# Altium PCB PCB1.PcbDoc (part 4 of 5)
Units mil, origin at the board's own origin, x right, y up, seen from the top; angles counter-clockwise.
Board outline 4133.86 x 2637.8 mil, 6 copper layers (Top Layer, Layer 3, Layer 1, Layer 2, Layer 4, Bottom Layer), stack 32.112 mil thick; 190 components, 224 nets, 985 pads, 573 vias.
Unrouted connection lines stored in the file: 1.
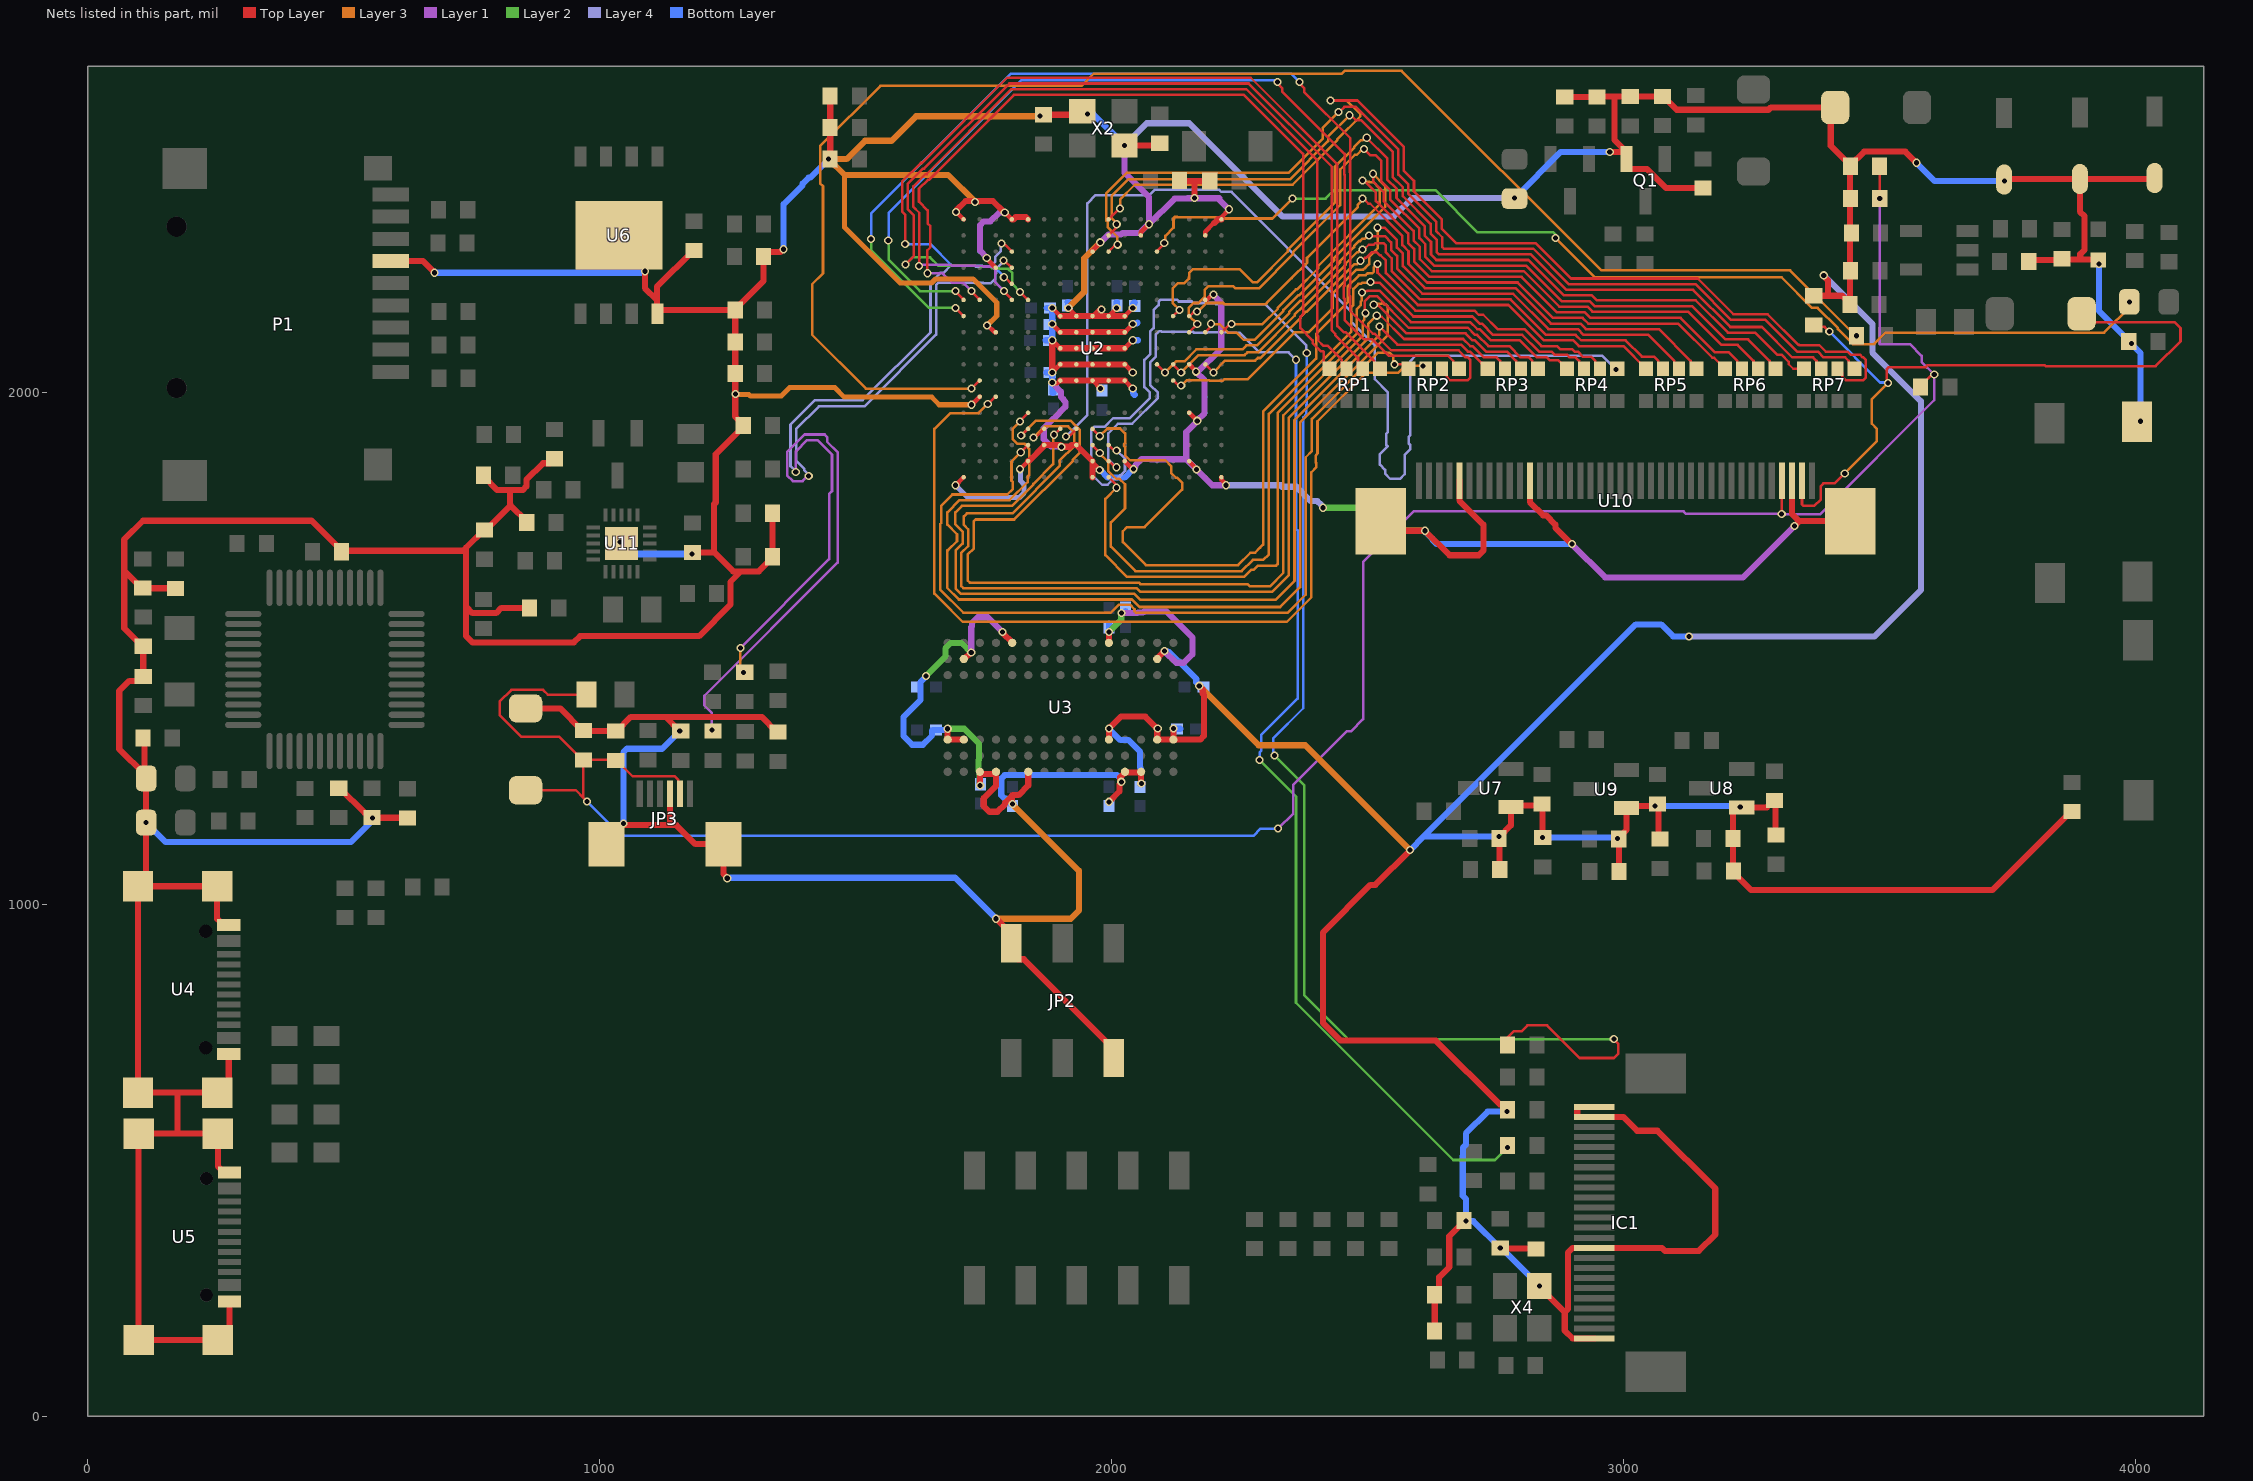
[diagram p8: the nets of this part, all layers, seen from the top]

## Via types
v1: diameter 16, hole 10, Top Layer to Bottom Layer, tented both sides, 573 vias

## Nets (pads, with @x,y where several pads share a name; then routed paths per layer and width w, separated by ;. In a path a pad name is that pad's centre, name@x,y a point inside that pad or via, vN(x,y) a via of type N, cw(c..) or ccw(c..) an arc to the next point about the centre after c; other vN are vias at no path point) (continued)
GND: 1.1 2.1 3.1 4.1 5.1 6.1 7.1 9.1 10.1 11.1 12.1 13.1 14.1 15.1 16.1 17.1 18.1 19.1 20.1 21.1 22.1 23.1 24.1 25.1 26.1 27.1 28.1 29.1 C1.1 C2.1 C3.1 C4.2 C5.2 C6.2 C7.2 C8.2 C9.1 C10.1 C11.1 C12.1 C13.1 C14.1 C15.1 C16.1 C17.1 C18.1 C19.1 C20.1 C21.1 C22.1 C23.1 C24.1 C25.1 C26.1 C27.1 C29.1 C30.1 C31.1 C32.1 C33.1 C34.1 C35.1 C36.2 C37.2 C38.1 C39.1 C40.2 C41.2 C42.2 C43.1 C44.1 C45.1 C46.1 C47.2 C48.1 C51.2 D2.1 D4.1 E1.2 E2.2 E3.2 IC1.1 IC1.2 IC1.15 IC1.24 JP2.1 JP2.6 JP3.0 JP3.4 LED1.2 LED2.2 LED3.2 LED4.2 P1.6 Q1.2 R2.1 R5.1 R24.1 R27.1 R28.1 R32.2 R33.2 R34.1 R50.2 R55.2 SW3.2 U2.A1 U2.A17 U2.B2 U2.B6 U2.C10 U2.C13 U2.C16 U2.F2 U2.G7 U2.G8 U2.G9 U2.G10 U2.G11 U2.G16 U2.H7 U2.H8 U2.H9 U2.H10 U2.H11 U2.J3 U2.J7 U2.J8 U2.J9 U2.J10 U2.J11 U2.J16 U2.J17 U2.K7 U2.K8 U2.K9 U2.K10 U2.K11 U2.K15 U2.L7 U2.L8 U2.L9 U2.L10 U2.L11 U2.L15 U2.M15 U2.N1 U2.N16 U2.P1 U2.R4 U2.R8 U2.T12 U2.U1 U2.U17 U3.A3 U3.B3 U3.B8 U3.C1 U3.D1 U3.E9 U3.F1 U3.L3 U3.L9 U3.M1 U3.N1 U3.P3 U3.P8 U3.R3 U4.13 U4.14 U4.15 U4.16 U4.A1B12 U4.B1A12 U5.13 U5.14 U5.15 U5.16 U5.A1B12 U5.B1A12 U6.4 U6.9 U7.1 U8.1 U9.1 U10.5 U10.12 U10.38 U10.41 U10.42 U11.21 X2.2 X2.4 X4.2 | length 31616.2
  Top Layer w8.86: v1(1694.87,1819) 1694.99,1819 U2.U17@1710.51,1834.53 ; v1(1695.98,2352.69) 1696.29,2352.69 U2.U1@1710.51,2338.46 ; v1(1726.26,1976.26) U2.T12@1742.01,1992.01 ; v1(1755.83,2262.73) 1755.83,2261.65 U2.R4@1773.5,2243.98 ; v1(1756.5,2130.73) 1758.43,2130.73 1771.17,2117.99 U2.R8@1773.5,2117.99 ; v1@1791.23,2352.23 U2.P1@1805,2338.46 ; v1(1820.75,1850.28) U2.N16@1836.5,1866.02 ; U2.M15@1867.99,1896.44 U2.M15@1867.99,1897.52 ; v1(1883.74,2019.87) 1885.65,2017.96 1893.95,2017.96 U2.L11@1899.49,2023.5 ; v1(1883.74,2039.25) U2.L10@1899.49,2055 ; v1(1883.74,2102.24) U2.L9@1899.49,2086.5 ; v1(1883.74,2133.74) U2.L8@1899.49,2117.99 ; v1(1883.74,2165.24) U2.L7@1899.49,2149.49 ; v1(1915.24,2165.24) U2.K7@1930.98,2149.49 ; U2.J16@1962.48,1863.72 1976.48,1849.72 v1(1976.48,1848.76) ; U2.J11@1962.48,2023.5 v1(1978.23,2007.76) ; U2.J7@1962.48,2149.49 1978.23,2165.24 v1@1980.01,2165.24 ; U2.J3@1962.48,2275.47 1962.48,2278.31 v1(1977.67,2293.5) ; U2.H7@1993.98,2149.49 v1(2009.72,2165.24) ; U2.G16@2025.47,1866.02 2041.22,1850.28 v1(2042.5,1850.28) ; U2.G11@2025.47,2023.5 v1(2041.22,2007.76) ; U2.G10@2025.47,2055 v1(2041.22,2039.25) ; U2.G9@2025.47,2086.5 v1(2041.22,2102.24) ; U2.G8@2025.47,2117.99 v1(2041.22,2133.74) ; U2.G7@2025.47,2149.49 v1(2041.22,2165.24) ; U2.F2@2056.97,2306.97 2056.97,2313.14 v1(2072.72,2328.89) ; U2.C16@2151.46,1866.02 2151.46,1865.3 2165.72,1851.04 v1(2165.72,1849.45) ; U2.C13@2151.46,1960.51 v1(2167.2,1944.76) ; U2.C10@2151.46,2055 2164.47,2041.99 v1(2164.47,2040.76) ; U2.B6@2182.95,2180.98 2186.25,2180.98 2196.77,2191.5 v1(2198.7,2191.5) ; U2.B2@2182.95,2306.97 2182.95,2314.4 2199.99,2331.44 ; U2.A17@2214.45,1834.53 2214.45,1829.76 2223.5,1820.71 v1(2223.5,1818.78) ; U2.A1@2214.45,2338.46 2214.45,2342.56 2228.9,2357.01 v1(2228.9,2358.21)
  Top Layer w12: C15.1@107.46,1325 110.53,1321.93 LED2.2@110.53,1254.08 ; C10.1@171,1617.46 170.77,1617.69 107.23,1617.69 C12.1@107,1617.91 105.03,1617.91 71,1651.94 ; U4.B1A12@275,707.79 275,654.84 U4.15@252.36,632.2 175,632.2 ; U4.A1B12@275,959.76 264.17,959.76 252.37,971.57 U4.13@252.37,1035.35 U4.14@97.64,1035.35 ; U5.B1A12@276.36,224.59 276.36,171.64 U5.15@253.72,149 U5.16@99,149 U5.14@99,552.15 176.36,552.15 ; U5.A1B12@276.36,476.56 265.53,476.56 253.72,488.37 U5.13@253.72,552.15 176.36,552.15 ; C11.1@490,1227 491.97,1227 540.29,1178.68 546.24,1178.68 R2.1@555,1169.91 ; R2.1@556,1169.41 623.5,1169.41 C9.1@624,1168.91 ; P1.6@591.39,2257.03 653.97,2257.03 v1(677,2234) ; C51.2@772.72,1838.31 772.72,1836.34 799.49,1809.58 824.51,1809.58 ; D4.1@855,1383 922.57,1383 966.03,1339.54 20.1@968,1339.54 968.5,1339.04 1030.5,1339.04 23.1@1031,1338.54 1032.97,1338.54 1060.73,1366.31 1128.27,1366.31 ; C48.1@857.18,1746.31 857.18,1748.28 826.32,1779.13 824.51,1779.13 ; C44.1@862.72,1579.31 807.6,1579.31 797.38,1569.09 751.02,1569.09 738.72,1581.39 ; C47.2@911.72,1870.77 902.96,1862 889,1862 856.57,1829.57 856.57,1816.61 849.54,1809.58 824.51,1809.58 ; JP3.0@1046,1155.1 1137,1155.1 ; v1(1088,2237) 1088,2204.07 1111.84,2180.22 ; U6.4@1111.84,2154.53 U6.4@1111.84,2155.63 ; JP3.4@1137.14,1196.51 1137.36,1196.29 1137.36,1155.46 1137,1155.1 ; 28.1@1158,1338.54 v1(1156.03,1338.54) 1128.27,1366.31 ; R50.2@1180.72,1687.77 1223.25,1687.77 ; C25.1@1184,2277.46 1182.03,2277.46 1111.84,2207.27 1111.84,2180.22 ; v1(1249,1051) 1249,1052.08 1241.38,1059.7 JP3.0@1241.38,1117.8 1186.7,1117.8 1149.39,1155.1 1137,1155.1 ; C45.1@1337.26,1764.31 C46.1@1337.26,1679.31 1337.26,1677.34 1310.5,1650.58 1275.72,1650.58 ; 29.1@1348,1336.54 1346.03,1336.54 1316.27,1366.31 1128.27,1366.31 ; v1(1359,2280) 1357.92,2280 1352.76,2274.85 1328.76,2274.85 1320,2266.08 C13.1@1320,2266 1320,2218.51 1264.46,2162.97 C8.2@1264.46,2161 ; C1.1@1450,2456 C3.1@1450,2517.5 C2.1@1450,2579 ; v1(1679.53,1343.08) U3.A3@1679.53,1322.01 U3.B3@1711.02,1322.01 ; v1(1695.98,2352.69) 1696.75,2353.46 1696.75,2356.19 1714.76,2374.21 1741.26,2374.21 ; U3.B8@1711.02,1479.49 1712.05,1479.49 1724.47,1491.91 v1(1725.5,1491.91) ; v1(1732.99,2372.34) 1733.76,2373.1 1740.14,2373.1 1741.26,2374.21 ; U3.C1@1742.52,1259.02 1743.64,1259.02 1747.66,1255 1768.88,1255 1772.89,1259.02 U3.D1@1774.02,1259.02 1774.02,1231.89 1750,1207.87 1750,1192.13 1761.13,1181 1776.87,1181 1791.71,1195.84 1791.71,1198.66 1804.4,1211.36 ; U3.C1@1742.76,1258.78 1742.76,1232.74 v1(1743,1232.5) ; v1(1774,972) 1774,971.53 1804,941.53 JP2.6@1804,924.2 1804,906.88 1818.08,892.8 1828.32,892.8 2004,717.12 JP2.1@2004,699.8 ; v1(1786.77,1532.06) 1787.53,1531.3 1787.53,1529.87 1805.51,1511.89 U3.E9@1805.51,1510.98 ; v1@1787.75,2354.21 1767.75,2374.21 1741.26,2374.21 ; U2.P1@1805,2338.46 1808.21,2338.46 1812.46,2342.72 1832.24,2342.72 U2.N1@1836.5,2338.46 ; v1(1806,1196) 1805.23,1196.77 1805.23,1210.52 1804.4,1211.36 ; U2.N16@1836.5,1866.02 1838.42,1866.02 1867.99,1895.59 U2.M15@1867.99,1896.44 ; U3.F1@1837.01,1259.02 1837.01,1232.5 1818.01,1213.5 1806.54,1213.5 1804.4,1211.36 ; v1(1860.16,2539.91) 1862.96,2542.7 C38.1@1866.94,2542.7 1935.68,2542.7 X2.4@1942.6,2549.62 X2.4@1950.61,2541.61 ; U2.M15@1867.99,1897.52 1898.91,1897.52 U2.L15@1899.49,1896.94 ; v1(1883.74,2039.25) v1(1883.74,2102.24) ; U2.L15@1899.49,1897.52 U2.L15@1899.49,1896.94 ; U2.L11@1899.49,2023.5 U2.K11@1930.98,2023.5 U2.J11@1962.48,2023.5 U2.H11@1993.98,2023.5 U2.G11@2025.47,2023.5 ; U2.L10@1899.49,2055 U2.K10@1930.98,2055 U2.J10@1962.48,2055 U2.H10@1993.98,2055 U2.G10@2025.47,2055 ; U2.L9@1899.49,2086.5 U2.K9@1930.98,2086.5 U2.J9@1962.48,2086.5 U2.H9@1993.98,2086.5 U2.G9@2025.47,2086.5 ; U2.L8@1899.49,2117.99 U2.K8@1930.98,2117.99 U2.J8@1962.48,2117.99 U2.H8@1993.98,2117.99 U2.G8@2025.47,2117.99 ; U2.L7@1899.49,2149.49 U2.K7@1930.98,2149.49 U2.J7@1962.48,2149.49 U2.H7@1993.98,2149.49 U2.G7@2025.47,2149.49 ; v1(1902.06,1893.9) 1899.49,1896.48 U2.L15@1899.49,1896.94 ; U2.J17@1962.48,1834.53 1962.48,1863.72 U2.J16@1962.48,1866.02 U2.K15@1930.98,1897.52 1922.06,1897.52 1918.77,1894.23 1902.2,1894.23 U2.L15@1899.49,1896.94 ; U3.L3@1994.49,1322.01 v1(1994.49,1343.5) 2017.99,1367 2065.48,1367 v1@2088.98,1343.5 ; U3.L9@1994.49,1510.98 v1(1994.49,1532.06) ; v1(1994.9,1200.41) 2015.22,1220.72 2015.22,1234.81 2018.83,1238.42 v1(2018.83,1239.5) ; v1@2016.75,1240.27 2016.75,1248.66 2025.98,1257.89 U3.M1@2025.98,1259.02 2026.78,1258.22 2031.18,1258.22 2031.73,1257.67 2055.01,1257.67 2057.24,1255.44 2057.24,1236.63 v1(2057.87,1236) ; v1(2025.28,2482.69) 2089.56,2482.69 C39.1@2093.94,2487.07 ; U3.P8@2088.98,1479.49 2088.98,1480.61 2103,1494.63 v1(2103,1495) ; v1(2089.86,1343.5) v1@2088.98,1343.5 ; v1(2120.47,1343.5) U3.R3@2120.47,1322.01 ; C41.2@2132.54,2412.03 C41.2@2132.54,2414 2133.04,2413.5 2162,2413.5 ; v1(2162,2380) 2162,2413.5 ; v1(2171,1427) 2177.87,1420.13 2177.87,1411.81 2180.02,1409.66 2180.02,1329.04 2172.99,1322.01 U3.R3@2120.47,1322.01 ; C40.2@2191.46,2413 2190.96,2413.5 2162,2413.5 ; 2199.99,2331.44 2201.07,2331.44 2208.1,2338.46 U2.A1@2214.45,2338.46 ; U10.41@2525.71,1748.86 2544.57,1730 v1(2612,1730) 2660,1682 2717,1682 2726.23,1691.23 2726.23,1742 2679.35,1788.88 2679.35,1827.5 U10.5@2679.25,1827.6 ; v1(2583,1106) 2515,1038 2505.57,1038 2413,945.43 2413,768 2447,734 2633.53,734 2757.99,609.53 2764.67,609.53 2772.34,601.86 v1(2772.34,595.18) ; 24.1@2630.98,166.3 27.1@2630.98,237.3 2639.75,246.06 2639.75,271.6 2659.53,291.38 2659.53,351.79 26.1@2688.07,380.33 ; 1.1@2757.32,1128.23 2757.32,1068.77 2.1@2758.09,1068 ; 1.1@2757.79,1132.21 2780,1154.43 U7.1@2780,1190 2783.23,1193.23 2837.77,1193.23 2841.5,1189.5 v1(2841.5,1131.04) ; 21.1@2759.98,327.76 2827.98,327.76 22.1@2828.98,326.76 ; LED3.2@2787,2379 v1(2787,2380) ; U10.12@2817.05,1827.6 2817.14,1827.5 2817.14,1785.86 2843,1760 2848.84,1760 2867,1741.84 2867,1736 v1(2899,1704) ; v1(2835.45,254.64) 2835.45,252.67 2884.98,203.14 ; C36.2@2885,2577.54 C42.2@2948,2577.54 2948.5,2578.04 2982,2578.04 ; IC1.1@2909.63,604.42 2909.63,585 2909.73,584.91 IC1.2@2942.94,584.91 2943.04,584.82 2999.44,584.82 3026.31,557.94 3066.06,557.94 3179,445 3179,355 3147,323 3080.84,323 3074.84,329 IC1.15@2942.94,329 2942.85,328.91 2900.28,328.91 2891.57,320.2 2891.57,209.73 2884.98,203.14 ; IC1.24@2942.94,151.84 2942.85,151.93 2900.28,151.93 2884.98,167.23 2884.98,203.14 ; v1(2973,2470) 2999.79,2470 Q1.2@3005.6,2464.19 ; 17.1@2990.54,1129.97 3006,1145.43 U9.1@3006,1188 3010.23,1192.23 v1(3061.77,1192.23) 18.1@3066,1196.46 3068.5,1193.96 3068.5,1130.04 19.1@3071,1127.54 ; 17.1@2990.77,1127.77 2990.77,1064.23 16.1@2991,1064 ; C37.2@3156.97,2399.46 C37.2@3155,2399.46 3082.91,2399.46 3045.62,2436.75 3011.41,2436.75 3005.6,2442.56 Q1.2@3005.6,2456.34 Q1.2@3005.6,2464.19 ; U8.1@3221.32,1189.6 3213.54,1181.82 12.1@3213.54,1129 3214.04,1128.5 3214.04,1065.5 11.1@3214.54,1065 3214.54,1063.03 3249.57,1028 3720.57,1028 3874.03,1181.46 R24.1@3876,1181.46 ; U8.1@3230.74,1189.6 3279.63,1189.6 3293.03,1203 14.1@3295,1203 3296.5,1201.5 3296.5,1137.04 15.1@3298,1135.54 ; U10.38@3328.86,1827.6 3328.86,1763.51 3343.51,1748.86 ; v1(3334,1739.35) 3343.51,1748.86 ; 7.1@3371.58,2189.09 3399.25,2189.09 ; v1(3391,2229) 3391,2227.92 3399.25,2219.67 3399.25,2189.09 ; U10.42@3405.72,1727 3407.6,1728.87 U10.42@3407.6,1729.17 ; U10.42@3443.03,1748.86 3343.51,1748.86 ; v1(3572,2449) 3550.27,2470.73 3469.8,2470.73 9.1@3443.04,2443.97 ; E1.2@3745.08,2417.54 4036.08,2417.54 E2.2@4037.58,2419.04 ; R28.1@3791.67,2256 3794.4,2258.73 3853.85,2258.73 R33.2@3856.58,2261.46 3857.81,2260.23 3892.08,2260.23 ; E3.2@3891.58,2417.04 3891.58,2353.42 3900.58,2344.42 3900.58,2279 3892.08,2270.5 3892.08,2260.23 ; v1(3929,2251) 3929,2257.58 LED4.2@3927.58,2259 3926.35,2260.23 3892.08,2260.23 ; SW3.2@4003,1943 4004,1944 v1(4010,1944) ; 71,1651.94 71,1539.49 106.03,1504.46 C4.2@108,1504.46 C5.2@108,1445.54 99.24,1436.78 80.81,1436.78 61,1416.97 61,1303.6 LED2.2@110.53,1254.08 ; 71,1651.94 71,1713 107.5,1749.5 437.02,1749.5 495.54,1690.97 732.41,1690.97 738.72,1697.28 ; U4.14@97.64,1035.35 113.6,1051.31 v1(113.6,1160) LED2.2@113.6,1246 113.6,1251 LED2.2@110.53,1254.08 ; U4.14@97.64,1035.35 U4.16@97.64,632.2 175,632.2 ; 175,632.2 175,553.51 176.36,552.15 ; 738.72,1581.39 738.72,1524.3 751.02,1512 949.41,1512 961.72,1524.31 1193.73,1524.31 1255.03,1585.61 1255.03,1629.88 1275.72,1650.58 ; 738.72,1581.39 738.72,1697.28 ; 738.72,1697.28 772.75,1731.31 R55.2@774.72,1731.31 776.69,1731.31 824.51,1779.13 ; 824.51,1779.13 824.51,1809.58 ; U6.4@1111.84,2155.63 1111.84,2180.22 ; U6.4@1111.84,2155.63 1117.21,2161 C8.2@1264.46,2161 ; 1223.25,1687.77 1223.25,1782.09 1226.31,1785.15 1226.31,1879.47 1280.18,1933.34 C43.1@1280.18,1935.31 1280.18,1937.28 1264.46,1953 C7.2@1264.46,2037 C6.2@1264.46,2099 C8.2@1264.46,2161 ; 1223.25,1687.77 1260.44,1650.58 1275.72,1650.58 ; v1@2088.98,1343.5 2088.98,1336.12 U3.P3@2088.98,1322.01 U3.R3@2120.47,1322.01 ; 2982,2578.04 3078.47,2578.04 3104.01,2552.5 3283.42,2552.5 3287.92,2557 3404.83,2557 3404.83,2482.17 9.1@3443.04,2443.97 ; 2982,2578.04 2982,2493.72 3005.6,2470.12 Q1.2@3005.6,2464.19 ; 3399.25,2189.09 3426.92,2189.09 3442.04,2173.97 13.1@3442.04,2172 3442.54,2172.5 3442.54,2441.5 9.1@3443.04,2442 9.1@3443.04,2443.97
  Layer 1 w12: v1(1725.5,1491.91) 1725.5,1541.48 1727.02,1543 1727.02,1549.77 1738.24,1561 1757.82,1561 v1@1786.75,1532.06 ; v1(1755.83,2262.73) 1755.83,2263.81 1742.74,2276.9 1742.74,2314.17 1743,2314.43 1743,2327.18 1750.03,2334.21 1763.03,2334.21 1780.82,2352 v1(1791,2352) ; v1(1883.74,2019.87) 1883.74,2018.79 1900.87,2001.66 1900.87,1991.74 1905.81,1986.8 1905.81,1985.69 1909.65,1981.85 1909.65,1971.91 1886.68,1948.94 1885.94,1948.94 1867.3,1930.3 1867.3,1908.7 1881.33,1894.67 1901.3,1894.67 v1(1902.06,1893.9) ; v1(1977.67,2293.5) 1978.75,2293.5 1994.14,2308.89 2018.01,2308.89 2021.12,2312 2054.74,2312 2071.63,2328.89 v1(2072.72,2328.89) ; v1(2019.42,1569.27) 2050.46,1569.27 2051.42,1570.22 2061.22,1570.22 2063,1572 2107.4,1572 2157.78,1521.62 2157.78,1488.78 2141,1472 2126,1472 v1(2103,1495) ; v1(2025.28,2482.69) 2025.28,2429.51 2072.72,2382.07 v1(2072.72,2328.89) ; v1(2042.5,1850.28) 2042.5,1851.36 2046.7,1855.56 2046.7,1858.56 2058.42,1870.28 2075.63,1870.28 2076.33,1869.57 2145.58,1869.57 ; v1(2164.47,2040.76) 2164.62,2040.76 2181.34,2024.04 2181.34,1959.98 2167.2,1945.85 v1(2167.2,1944.76) 2167.2,1944.2 2145.58,1922.58 2145.58,1869.57 ; v1@2167.2,2039.25 2213.91,2085.96 2213.91,2094.34 2214,2094.43 2214,2174.05 2207.18,2180.87 2207.18,2181.93 2198.7,2190.42 v1(2198.7,2191.5) ; v1(2223.5,1818.78) 2196.38,1818.78 v1(2165.72,1849.45) 2145.58,1869.57 ; v1(2228.9,2358.21) 2210.2,2376.91 2210.2,2379.5 2148.5,2379.5 2148,2379 2122.82,2379 v1(2072.72,2328.89) ; v1(2899,1704) 2964,1639 3233.65,1639 v1(3334,1739.35)
  Layer 2 w12: v1(1637.29,1446.37) 1674.96,1484.05 1674.96,1500.05 1685.77,1510.86 1706.55,1510.86 v1(1725.5,1491.91) ; v1(1679.53,1343.08) 1711.92,1343.08 1740.47,1314.53 1740.47,1282.3 1740.11,1281.94 1740.11,1260.47 1742.23,1258.35 1742.23,1233.27 v1(1743,1232.5) ; v1(1994.49,1532.06) 2018.65,1556.22 2018.65,1568.5 v1(2019.42,1569.27) ; v1(2413,1775) 2490.54,1775 2535.54,1730 v1(2612,1730)
  Layer 3 w10: v1(1265,1997) 1266,1996 1291,1996 1294,1993 1354.46,1993 1371.06,2009.6 1458.93,2009.6 1477.54,1991 1648.45,1991 1663.19,1976.26 v1(1726.26,1976.26) ; 1478,2425 1478,2323 1587,2214 1647.87,2214 1655.87,2222 1729.37,2222 1775.5,2175.87 1775.5,2149.73 v1(1756.5,2130.73)
  Layer 3 w12: v1(1732.99,2372.34) 1680.33,2425 1478,2425 v1(1447,2456) 1482.17,2456 1518.17,2492 1570,2492 1617.91,2539.91 v1(1860.16,2539.91) ; v1(1774,972) 1919.97,972 1936,988.03 1936,1066 v1(1806,1196) ; v1(1915.24,2165.24) 1946.45,2196.45 1946.45,2262.28 v1(1977.67,2293.5) ; v1(2171,1427) 2287,1311 2378,1311 v1(2583,1106)
  Layer 4 w10: v1(1694.87,1819) 1718.87,1795 1820,1795 1828.86,1803.86 1828.86,1820.54 1821.9,1827.5 1821.9,1849.13 v1(1820.75,1850.28)
  Layer 4 w12: v1(2025.28,2482.69) 2068.58,2526 2151.62,2526 2333.62,2344 2551.46,2344 2587.46,2380 v1(2787,2380) ; v1(2223.5,1818.78) 2330.22,1818.78 2333,1816 2361,1816 2389,1788 2402,1788 2409,1781 2409,1780.08 2413,1776.08 v1(2413,1775) ; v1(3127.82,1523.5) 3490.5,1523.5 3581,1614 3581,1983 3486,2078 3486,2134 v1(3391,2229)
  Bottom Layer w12: v1(113.6,1160) 151.42,1122.18 514.18,1122.18 556,1164 v1(556,1169) ; v1(677,2234) 1085,2234 v1(1088,2237) ; v1(1046,1158) 1046,1296.97 1053.03,1304 1121.49,1304 v1(1156.03,1338.54) ; v1(1249,1051) 1249.77,1051.77 1255.77,1051.77 1256,1052 1694,1052 v1(1774,972) ; v1(1359,2280) 1359,2368 1396,2405 1396,2408.28 1407.72,2420 1411,2420 v1(1447,2456) ; v1(1637.29,1446.37) 1637.29,1445.29 1626.13,1434.13 1626.13,1399.13 1593,1366 1593,1329.11 1610.11,1312 1631,1312 1648.92,1329.92 1648.92,1340.11 1649.81,1341 1676.36,1341 1678.45,1343.08 v1(1679.53,1343.08) ; v1(1806,1196) 1803.1,1196 1801.18,1197.92 1801.18,1199.67 1794.15,1206.7 1790.62,1206.7 1784.18,1213.14 1784.18,1245.88 1791,1252.7 2010.39,1252.7 2016.83,1246.26 2016.83,1242.58 2018.83,1240.58 v1(2018.83,1239.5) ; C35.1@1870.81,2102 1870.93,2102.12 1883.62,2102.12 v1(1883.74,2102.24) v1(1883.74,2133.74) v1(1883.74,2165.24) 1883.62,2165.12 1872.93,2165.12 C34.1@1872.81,2165 ; C33.1@1872,2039 1872.13,2039.13 1883.61,2039.13 v1(1883.74,2039.25) v1(1883.74,2019.87) 1884.51,2019.11 1884.51,1999.7 1885.4,1998.81 C31.1@1886,1998.81 ; C27.1@1914,2177.19 1914.62,2176.57 1914.62,2165.86 v1(1915.24,2165.24) ; v1(1953,2544) 1963.97,2544 v1(2025.28,2482.69) ; v1(1976.48,1848.76) 1977.57,1848.76 1992.32,1834 2025.14,1834 2041.41,1850.28 v1(2042.5,1850.28) ; v1@1979.5,2162.74 v1(1980.01,2162.24) ; v1(1994.49,1343.5) 2017.12,1320.87 2033.13,1320.87 2055,1299 2055,1267.13 2057.48,1264.65 2057.48,1236.39 v1(2057.87,1236) ; v1(1994.49,1532.06) 1994.74,1532.31 1994.74,1547.93 C17.1@1995,1548.19 ; v1(1994.9,1200.41) 1994.9,1199.48 C22.1@1995,1199.38 ; v1(2009.72,2165.24) 2009.86,2165.37 2009.86,2177.05 C26.1@2010,2177.19 ; v1(2019.42,1569.27) 2020.18,1570.03 2023.05,1570.03 2025.13,1572.11 2026.11,1572.11 C19.1@2027,1573 ; v1(2041.22,2007.76) 2041.99,2006.99 2041.99,1998.83 2043.13,1997.69 2043.13,1996.7 2044.02,1995.81 2045,1995.81 ; v1(2041.22,2102.24) 2041.34,2102.12 2051.07,2102.12 2051.19,2102 ; v1(2041.22,2133.74) 2042.3,2133.74 2043.69,2135.13 2049.3,2135.13 2050.19,2136.02 2050.19,2137 ; v1(2041.22,2165.24) 2041.99,2166 2041.99,2173.18 2043.12,2174.31 2043.12,2175.3 2044.01,2176.19 C30.1@2045,2176.19 ; v1(2103,1495) 2103.77,1494.23 2110.27,1494.23 2128.82,1475.69 2129.81,1475.69 2165.11,1440.38 2165.11,1433.97 2171,1428.08 v1(2171,1427) ; v1(2120.47,1343.5) 2120.72,1343.25 2133.94,1343.25 C14.1@2134.19,1343 ; v1(2583,1106) 2610,1133 ; v1(2612,1730) 2612,1728.92 2626.51,1714.4 2626.51,1712.49 2635,1704 v1(2899,1704) ; v1(2757,1133) 2610,1133 ; v1(2772.34,595.18) 2734.58,595.18 2691.98,552.59 2691.98,530.9 2686.49,525.41 2686.49,508.84 2685.94,508.29 2685.94,430.85 2691.98,424.81 v1(2691.98,381.3) 2706.44,381.3 v1(2758.98,328.76) 2759.75,327.99 2762.09,327.99 v1(2835.45,254.64) ; v1(2787,2380) 2877,2470 v1(2973,2470) ; v1(2841.5,1131.04) 2985.96,1131.04 v1(2988,1129) ; v1(3061.77,1192.23) 3225.77,1192.23 v1(3228,1190) ; v1(3127.82,1523.5) 3096.71,1523.5 3073.21,1547 3024,1547 2610,1133 ; v1(3572,2449) 3608,2413 v1(3744,2413) ; v1(3929,2251) 3929,2159 v1(3992,2096) 3992,2095.23 4010,2077.23 v1(4010,1944)